# KiCad board Floppy Board v3.1.kicad_pcb (continued)
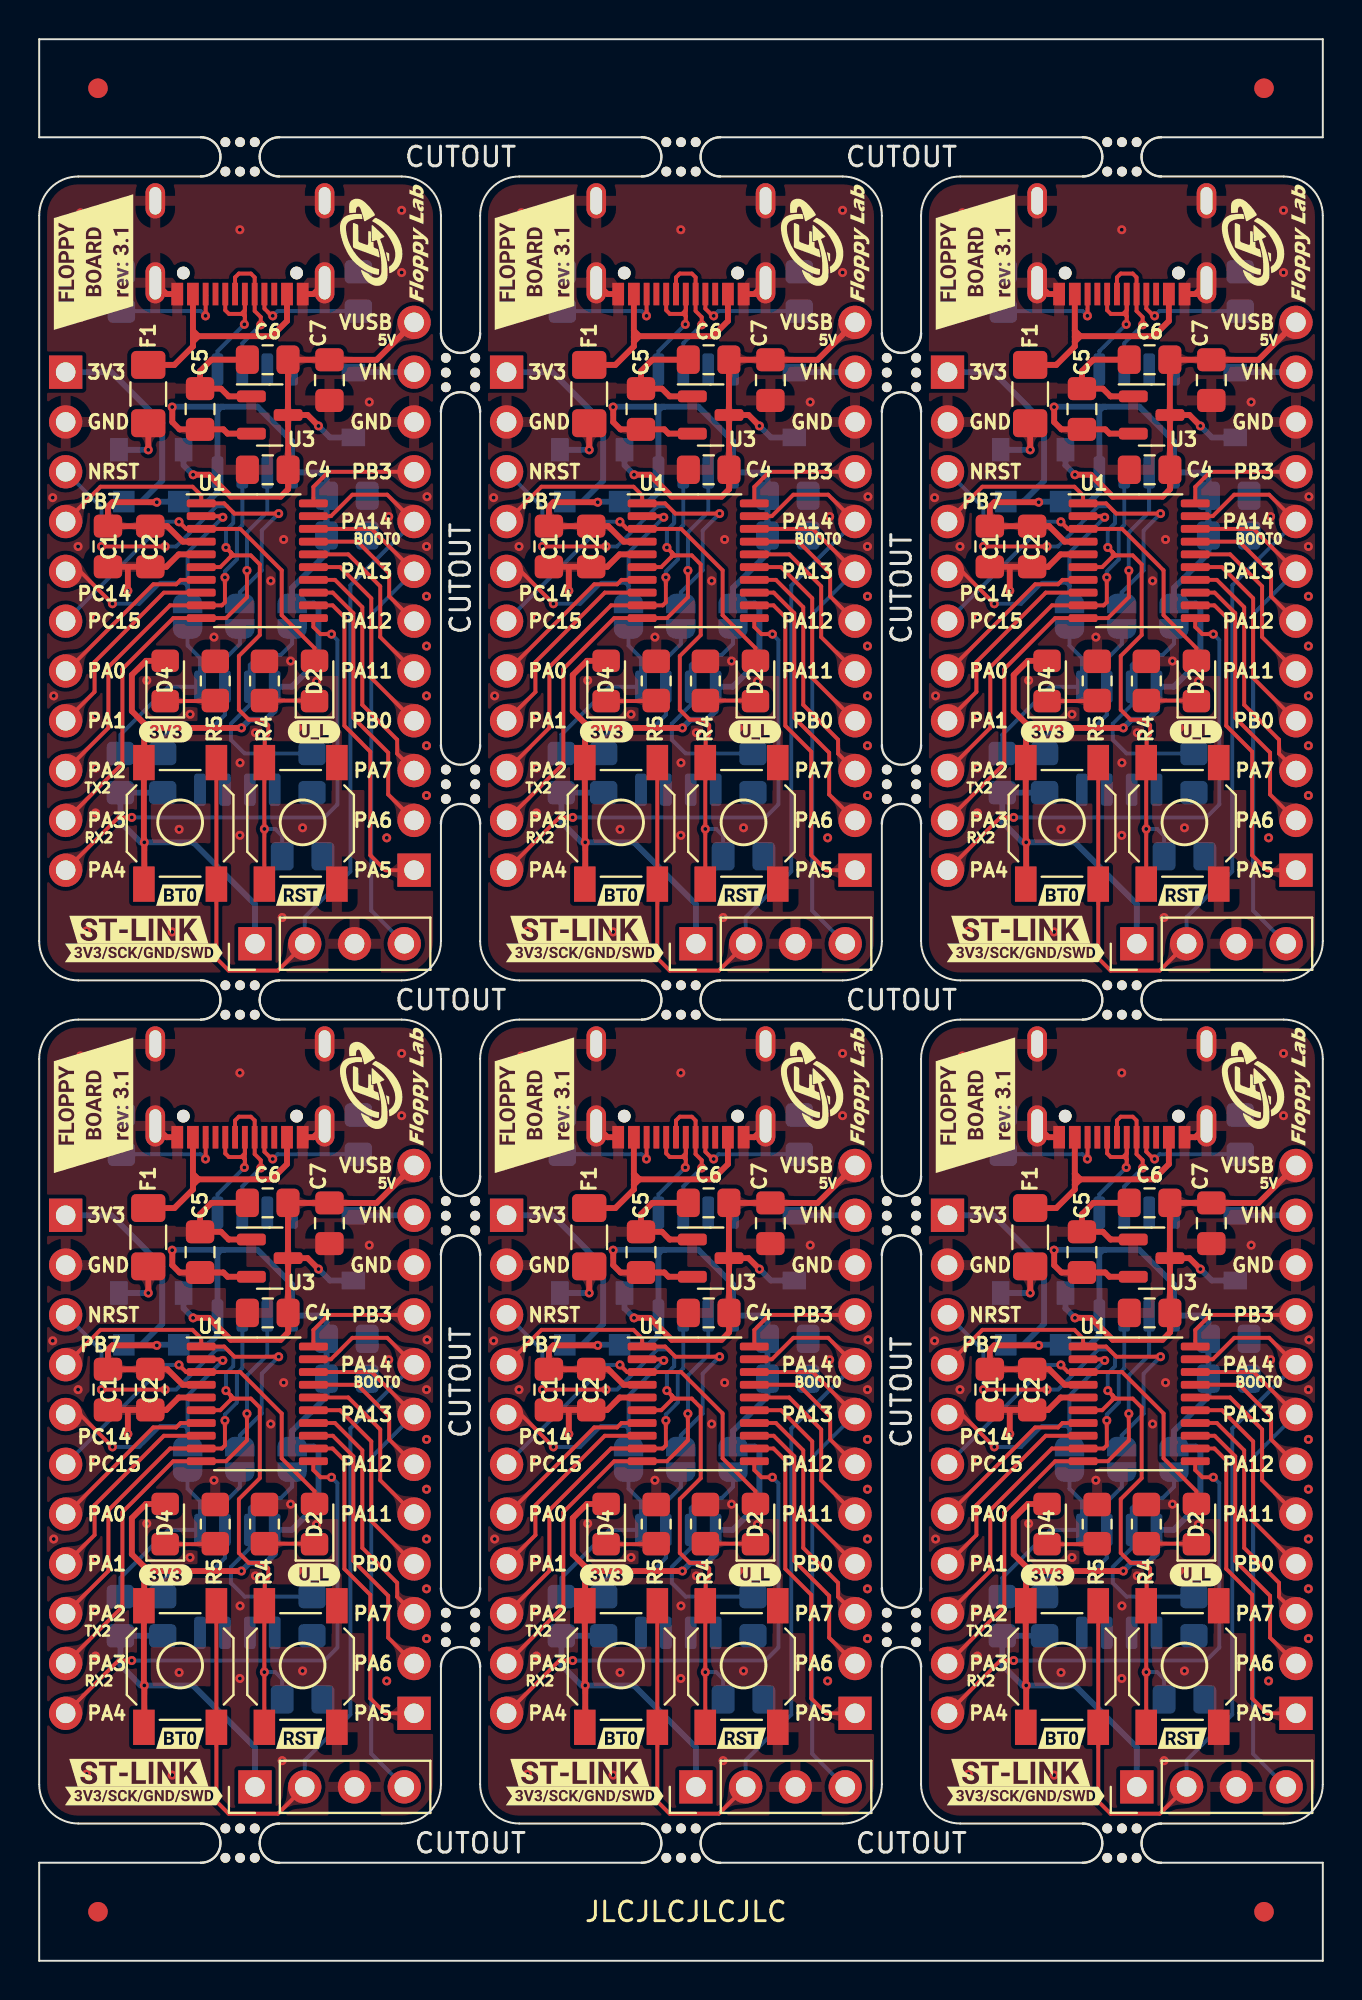
[diagram p0: board, top side]
## Copper pours and planes (outline as drawn; the poured copper is in the pictures) (continued)
+3V3 on Bottom: 59.33,32.7 59.4,32.62 59.43,32.55 59.43,32.48 59.42,32.41 59.39,32.35 59.34,32.28 59.24,32.14 59.18,32.06 59.13,31.98 59.66,31.43 60.08,32.14 60,32.22 59.94,32.3 59.9,32.37 59.86,32.44 59.79,32.58 59.75,32.65 59.7,32.73 59.63,32.82 59.54,32.91
+3V3 on Bottom: 50.33,59.72 50.2,59.73 50.08,59.75 49.99,59.77 49.9,59.81 49.83,59.85 49.76,59.89 49.68,59.94 49.6,60 49.51,60.06 49.41,60.11 48.84,59.57 49.41,59.03 49.51,59.09 49.6,59.15 49.68,59.2 49.76,59.25 49.83,59.3 49.9,59.34 49.99,59.37 50.08,59.4 50.2,59.42 50.33,59.42
+3V3 on Bottom: 28.63,74.3 28.71,74.37 28.79,74.39 28.86,74.38 28.93,74.34 28.99,74.28 29.06,74.21 29.13,74.13 29.2,74.05 29.29,73.98 29.38,73.92 29.89,74.42 29.23,74.8 29.15,74.74 29.07,74.7 29,74.68 28.92,74.68 28.76,74.67 28.68,74.66 28.59,74.64 28.51,74.59 28.42,74.51
+3V3 on Bottom: 14.81,73.55 14.82,73.69 14.84,73.8 14.86,73.9 14.89,73.98 14.93,74.05 14.98,74.12 15.08,74.27 15.14,74.36 15.19,74.46 14.66,75.01 14.13,74.46 14.19,74.36 14.25,74.27 14.35,74.12 14.39,74.05 14.43,73.98 14.47,73.9 14.49,73.8 14.51,73.69 14.51,73.55
+3V3 on Bottom: 50.33,16.72 50.2,16.73 50.08,16.75 49.99,16.77 49.9,16.81 49.83,16.85 49.76,16.89 49.68,16.94 49.6,17 49.51,17.06 49.41,17.11 48.84,16.57 49.41,16.03 49.51,16.09 49.6,16.15 49.68,16.2 49.76,16.25 49.83,16.3 49.9,16.34 49.99,16.37 50.08,16.4 50.2,16.42 50.33,16.42
+3V3 on Bottom: 14.58,28.48 14.67,28.58 14.73,28.66 14.78,28.75 14.82,28.82 14.88,28.97 14.91,29.04 14.95,29.11 15,29.19 15.08,29.27 14.66,29.98 14.13,29.43 14.18,29.35 14.24,29.27 14.36,29.12 14.41,29.05 14.45,28.99 14.47,28.92 14.46,28.85 14.43,28.77 14.37,28.7
+3V3 on Bottom: 37.31,30.55 37.32,30.69 37.34,30.8 37.36,30.9 37.39,30.98 37.43,31.05 37.48,31.12 37.58,31.27 37.64,31.36 37.69,31.46 37.16,32.01 36.63,31.46 36.69,31.36 36.75,31.27 36.85,31.12 36.89,31.05 36.93,30.98 36.97,30.9 36.99,30.8 37.01,30.69 37.01,30.55
/VBUS_FUSED on Top: 50.72,77.07 50.72,77.21 50.74,77.33 50.77,77.44 50.81,77.53 50.85,77.61 50.9,77.69 50.96,77.76 51.02,77.84 51.09,77.92 51.16,78.01 50.57,78.77 49.98,78.01 50.04,77.92 50.11,77.84 50.17,77.76 50.23,77.69 50.28,77.61 50.33,77.53 50.36,77.44 50.39,77.33 50.41,77.21 50.42,77.07
/VBUS_FUSED on Top: 5.72,34.07 5.72,34.21 5.74,34.33 5.77,34.44 5.81,34.53 5.85,34.61 5.9,34.69 5.96,34.76 6.02,34.84 6.09,34.92 6.16,35.01 5.57,35.77 4.98,35.01 5.04,34.92 5.11,34.84 5.17,34.76 5.23,34.69 5.28,34.61 5.33,34.53 5.36,34.44 5.39,34.33 5.41,34.21 5.42,34.07
/VBUS_FUSED on Top: 28.22,34.07 28.22,34.21 28.24,34.33 28.27,34.44 28.31,34.53 28.35,34.61 28.4,34.69 28.46,34.76 28.52,34.84 28.59,34.92 28.66,35.01 28.07,35.77 27.48,35.01 27.54,34.92 27.61,34.84 27.67,34.76 27.73,34.69 27.78,34.61 27.83,34.53 27.86,34.44 27.89,34.33 27.91,34.21 27.92,34.07
/VBUS_FUSED on Top: 50.72,34.07 50.72,34.21 50.74,34.33 50.77,34.44 50.81,34.53 50.85,34.61 50.9,34.69 50.96,34.76 51.02,34.84 51.09,34.92 51.16,35.01 50.57,35.77 49.98,35.01 50.04,34.92 50.11,34.84 50.17,34.76 50.23,34.69 50.28,34.61 50.33,34.53 50.36,34.44 50.39,34.33 50.41,34.21 50.42,34.07
/VBUS_FUSED on Top: 28.22,77.07 28.22,77.21 28.24,77.33 28.27,77.44 28.31,77.53 28.35,77.61 28.4,77.69 28.46,77.76 28.52,77.84 28.59,77.92 28.66,78.01 28.07,78.77 27.48,78.01 27.54,77.92 27.61,77.84 27.67,77.76 27.73,77.69 27.78,77.61 27.83,77.53 27.86,77.44 27.89,77.33 27.91,77.21 27.92,77.07
/VBUS_FUSED on Top: 5.72,77.07 5.72,77.21 5.74,77.33 5.77,77.44 5.81,77.53 5.85,77.61 5.9,77.69 5.96,77.76 6.02,77.84 6.09,77.92 6.16,78.01 5.57,78.77 4.98,78.01 5.04,77.92 5.11,77.84 5.17,77.76 5.23,77.69 5.28,77.61 5.33,77.53 5.36,77.44 5.39,77.33 5.41,77.21 5.42,77.07
GND on Top, Bottom: 66.67,5 43.81,5 43.81,50.72 66.67,50.72
GND on Top, Bottom: 21.67,48 -1.19,48 -1.19,93.72 21.67,93.72
GND on Top, Bottom: 44.17,48 21.31,48 21.31,93.72 44.17,93.72
GND on Top, Bottom: 44.17,5 21.31,5 21.31,50.72 44.17,50.72
GND on Top, Bottom: 66.67,48 43.81,48 43.81,93.72 66.67,93.72
GND on Top, Bottom: 21.67,5 -1.19,5 -1.19,50.72 21.67,50.72
VBUS on Top: 13.64,81.5 13.78,81.5 13.89,81.48 13.99,81.45 14.07,81.42 14.14,81.38 14.21,81.34 14.36,81.23 14.45,81.18 14.56,81.12 15.11,81.65 14.56,82.18 14.45,82.12 14.36,82.07 14.21,81.97 14.14,81.92 14.07,81.88 13.99,81.85 13.89,81.82 13.78,81.81 13.64,81.8
VBUS on Top: 12.55,34.21 12.55,34.08 12.53,33.96 12.5,33.87 12.47,33.79 12.43,33.71 12.39,33.64 12.28,33.49 12.23,33.4 12.17,33.3 12.7,32.75 13.23,33.3 13.17,33.4 13.12,33.49 13.02,33.64 12.97,33.71 12.93,33.79 12.9,33.87 12.87,33.96 12.86,34.08 12.85,34.21
VBUS on Top: 36.14,81.5 36.28,81.5 36.39,81.48 36.49,81.45 36.57,81.42 36.64,81.38 36.71,81.34 36.86,81.23 36.95,81.18 37.06,81.12 37.61,81.65 37.06,82.18 36.95,82.12 36.86,82.07 36.71,81.97 36.64,81.92 36.57,81.88 36.49,81.85 36.39,81.82 36.28,81.81 36.14,81.8
VBUS on Top: 63.04,39.26 63.19,39.39 63.32,39.49 63.45,39.55 63.57,39.6 63.69,39.62 63.81,39.64 63.94,39.65 64.08,39.67 64.24,39.71 64.41,39.76 64.43,40.86 63.33,40.84 63.28,40.67 63.24,40.51 63.22,40.37 63.21,40.24 63.19,40.12 63.17,40 63.12,39.88 63.06,39.75 62.96,39.62 62.83,39.47
VBUS on Top: 38.48,81.8 38.34,81.81 38.23,81.82 38.14,81.85 38.06,81.88 37.98,81.92 37.91,81.97 37.76,82.07 37.67,82.12 37.57,82.18 37.02,81.65 37.57,81.12 37.67,81.18 37.76,81.23 37.91,81.34 37.98,81.38 38.06,81.42 38.14,81.45 38.23,81.48 38.34,81.5 38.48,81.5
VBUS on Top: 35.18,74.81 35.26,74.91 35.32,74.99 35.36,75.08 35.39,75.16 35.43,75.31 35.46,75.39 35.49,75.46 35.54,75.54 35.62,75.63 35.2,76.34 34.67,75.79 34.72,75.69 34.79,75.61 34.86,75.54 34.92,75.46 34.98,75.39 35.03,75.32 35.06,75.26 35.06,75.18 35.03,75.11 34.96,75.02
VBUS on Top: 36.37,38.8 36.23,38.81 36.12,38.82 36.03,38.85 35.94,38.88 35.87,38.92 35.8,38.97 35.65,39.07 35.56,39.13 35.46,39.18 34.9,38.66 35.45,38.12 35.56,38.18 35.65,38.23 35.8,38.34 35.87,38.38 35.94,38.42 36.02,38.45 36.12,38.48 36.23,38.5 36.37,38.5
VBUS on Top: 60.98,81.8 60.84,81.81 60.73,81.82 60.64,81.85 60.56,81.88 60.48,81.92 60.41,81.97 60.26,82.07 60.17,82.12 60.07,82.18 59.52,81.65 60.07,81.12 60.17,81.18 60.26,81.23 60.41,81.34 60.48,81.38 60.56,81.42 60.64,81.45 60.73,81.48 60.84,81.5 60.98,81.5
VBUS on Top: 57.85,37.49 57.85,37.62 57.87,37.73 57.89,37.83 57.93,37.91 57.97,37.98 58.01,38.05 58.11,38.2 58.17,38.29 58.22,38.4 57.7,38.95 57.17,38.4 57.22,38.29 57.28,38.2 57.38,38.05 57.43,37.98 57.47,37.91 57.5,37.83 57.52,37.73 57.54,37.62 57.55,37.49
VBUS on Top: 40.54,39.26 40.69,39.39 40.82,39.49 40.95,39.55 41.07,39.6 41.19,39.62 41.31,39.64 41.44,39.65 41.58,39.67 41.74,39.71 41.91,39.76 41.93,40.86 40.83,40.84 40.78,40.67 40.74,40.51 40.72,40.37 40.71,40.24 40.69,40.12 40.67,40 40.62,39.88 40.56,39.75 40.46,39.62 40.33,39.47
VBUS on Top: 12.68,74.81 12.76,74.91 12.82,74.99 12.86,75.08 12.89,75.16 12.93,75.31 12.96,75.39 12.99,75.46 13.04,75.54 13.12,75.63 12.7,76.34 12.17,75.79 12.22,75.69 12.29,75.61 12.36,75.54 12.42,75.46 12.48,75.39 12.53,75.32 12.56,75.26 12.56,75.18 12.53,75.11 12.46,75.02
VBUS on Top: 13.87,81.8 13.73,81.81 13.62,81.82 13.53,81.85 13.44,81.88 13.37,81.92 13.3,81.97 13.15,82.07 13.06,82.13 12.96,82.18 12.4,81.66 12.95,81.12 13.06,81.18 13.15,81.23 13.3,81.34 13.37,81.38 13.44,81.42 13.52,81.45 13.62,81.48 13.73,81.5 13.87,81.5
VBUS on Top: 35.35,80.49 35.35,80.62 35.37,80.73 35.39,80.83 35.43,80.91 35.47,80.98 35.51,81.05 35.61,81.2 35.67,81.29 35.72,81.4 35.2,81.95 34.67,81.4 34.72,81.29 34.78,81.2 34.88,81.05 34.93,80.98 34.97,80.91 35,80.83 35.02,80.73 35.04,80.62 35.05,80.49
VBUS on Top: 57.85,80.49 57.85,80.62 57.87,80.73 57.89,80.83 57.93,80.91 57.97,80.98 58.01,81.05 58.11,81.2 58.17,81.29 58.22,81.4 57.7,81.95 57.17,81.4 57.22,81.29 57.28,81.2 57.38,81.05 57.43,80.98 57.47,80.91 57.5,80.83 57.52,80.73 57.54,80.62 57.55,80.49
VBUS on Top: 12.68,31.81 12.76,31.91 12.82,31.99 12.86,32.08 12.89,32.16 12.93,32.31 12.96,32.39 12.99,32.46 13.04,32.54 13.12,32.63 12.7,33.34 12.17,32.79 12.22,32.69 12.29,32.61 12.36,32.54 12.42,32.46 12.48,32.39 12.53,32.32 12.56,32.26 12.56,32.18 12.53,32.11 12.46,32.02
VBUS on Top: 15.98,38.8 15.84,38.81 15.73,38.82 15.64,38.85 15.56,38.88 15.48,38.92 15.41,38.97 15.26,39.07 15.17,39.12 15.07,39.18 14.52,38.65 15.07,38.12 15.17,38.18 15.26,38.23 15.41,38.34 15.48,38.38 15.56,38.42 15.64,38.45 15.73,38.48 15.84,38.5 15.98,38.5
VBUS on Top: 36.14,38.5 36.28,38.5 36.39,38.48 36.49,38.45 36.57,38.42 36.64,38.38 36.71,38.34 36.86,38.23 36.95,38.18 37.06,38.12 37.61,38.65 37.06,39.18 36.95,39.12 36.86,39.07 36.71,38.97 36.64,38.92 36.57,38.88 36.49,38.85 36.39,38.82 36.28,38.81 36.14,38.8
VBUS on Top: 57.68,74.81 57.76,74.91 57.82,74.99 57.86,75.08 57.89,75.16 57.93,75.31 57.96,75.39 57.99,75.46 58.04,75.54 58.12,75.63 57.7,76.34 57.17,75.79 57.22,75.69 57.29,75.61 57.36,75.54 57.42,75.46 57.48,75.39 57.53,75.32 57.56,75.26 57.56,75.18 57.53,75.11 57.46,75.02
VBUS on Top: 12.85,37.49 12.85,37.62 12.87,37.73 12.89,37.83 12.93,37.91 12.97,37.98 13.01,38.05 13.11,38.2 13.17,38.29 13.22,38.4 12.7,38.95 12.17,38.4 12.22,38.29 12.28,38.2 12.38,38.05 12.43,37.98 12.47,37.91 12.5,37.83 12.52,37.73 12.54,37.62 12.55,37.49
VBUS on Top: 58.64,81.5 58.78,81.5 58.89,81.48 58.99,81.45 59.07,81.42 59.14,81.38 59.21,81.34 59.36,81.23 59.45,81.18 59.56,81.12 60.11,81.65 59.56,82.18 59.45,82.12 59.36,82.07 59.21,81.97 59.14,81.92 59.07,81.88 58.99,81.85 58.89,81.82 58.78,81.81 58.64,81.8
VBUS on Top: 60.98,38.8 60.84,38.81 60.73,38.82 60.64,38.85 60.56,38.88 60.48,38.92 60.41,38.97 60.26,39.07 60.17,39.12 60.07,39.18 59.52,38.65 60.07,38.12 60.17,38.18 60.26,38.23 60.41,38.34 60.48,38.38 60.56,38.42 60.64,38.45 60.73,38.48 60.84,38.5 60.98,38.5
VBUS on Top: 58.64,38.5 58.78,38.5 58.89,38.48 58.99,38.45 59.07,38.42 59.14,38.38 59.21,38.34 59.36,38.23 59.45,38.18 59.56,38.12 60.11,38.65 59.56,39.18 59.45,39.12 59.36,39.07 59.21,38.97 59.14,38.92 59.07,38.88 58.99,38.85 58.89,38.82 58.78,38.81 58.64,38.8
VBUS on Top: 63.04,82.26 63.19,82.39 63.32,82.49 63.45,82.55 63.57,82.6 63.69,82.62 63.81,82.64 63.94,82.65 64.08,82.67 64.24,82.71 64.41,82.76 64.43,83.86 63.33,83.84 63.28,83.67 63.24,83.51 63.22,83.37 63.21,83.24 63.19,83.12 63.17,83 63.12,82.88 63.06,82.75 62.96,82.62 62.83,82.47
VBUS on Top: 13.64,38.5 13.78,38.5 13.89,38.48 13.99,38.45 14.07,38.42 14.14,38.38 14.21,38.34 14.36,38.23 14.45,38.18 14.56,38.12 15.11,38.65 14.56,39.18 14.45,39.12 14.36,39.07 14.21,38.97 14.14,38.92 14.07,38.88 13.99,38.85 13.89,38.82 13.78,38.81 13.64,38.8
VBUS on Top: 58.87,38.8 58.73,38.81 58.62,38.82 58.53,38.85 58.44,38.88 58.37,38.92 58.3,38.97 58.15,39.07 58.06,39.13 57.96,39.18 57.4,38.66 57.95,38.12 58.06,38.18 58.15,38.23 58.3,38.34 58.37,38.38 58.44,38.42 58.52,38.45 58.62,38.48 58.73,38.5 58.87,38.5
VBUS on Top: 57.55,34.21 57.55,34.08 57.53,33.96 57.5,33.87 57.47,33.79 57.43,33.71 57.39,33.64 57.28,33.49 57.23,33.4 57.17,33.3 57.7,32.75 58.23,33.3 58.17,33.4 58.12,33.49 58.02,33.64 57.97,33.71 57.93,33.79 57.9,33.87 57.87,33.96 57.86,34.08 57.85,34.21
VBUS on Top: 18.04,82.26 18.19,82.39 18.32,82.49 18.45,82.55 18.57,82.6 18.69,82.62 18.81,82.64 18.94,82.65 19.08,82.67 19.24,82.71 19.41,82.76 19.43,83.86 18.33,83.84 18.28,83.67 18.24,83.51 18.22,83.37 18.21,83.24 18.19,83.12 18.17,83 18.12,82.88 18.06,82.75 17.96,82.62 17.83,82.47
VBUS on Top: 13.87,38.8 13.73,38.81 13.62,38.82 13.53,38.85 13.44,38.88 13.37,38.92 13.3,38.97 13.15,39.07 13.06,39.13 12.96,39.18 12.4,38.66 12.95,38.12 13.06,38.18 13.15,38.23 13.3,38.34 13.37,38.38 13.44,38.42 13.52,38.45 13.62,38.48 13.73,38.5 13.87,38.5
VBUS on Top: 15.98,81.8 15.84,81.81 15.73,81.82 15.64,81.85 15.56,81.88 15.48,81.92 15.41,81.97 15.26,82.07 15.17,82.12 15.07,82.18 14.52,81.65 15.07,81.12 15.17,81.18 15.26,81.23 15.41,81.34 15.48,81.38 15.56,81.42 15.64,81.45 15.73,81.48 15.84,81.5 15.98,81.5
VBUS on Top: 38.48,38.8 38.34,38.81 38.23,38.82 38.14,38.85 38.06,38.88 37.98,38.92 37.91,38.97 37.76,39.07 37.67,39.12 37.57,39.18 37.02,38.65 37.57,38.12 37.67,38.18 37.76,38.23 37.91,38.34 37.98,38.38 38.06,38.42 38.14,38.45 38.23,38.48 38.34,38.5 38.48,38.5
VBUS on Top: 40.54,82.26 40.69,82.39 40.82,82.49 40.95,82.55 41.07,82.6 41.19,82.62 41.31,82.64 41.44,82.65 41.58,82.67 41.74,82.71 41.91,82.76 41.93,83.86 40.83,83.84 40.78,83.67 40.74,83.51 40.72,83.37 40.71,83.24 40.69,83.12 40.67,83 40.62,82.88 40.56,82.75 40.46,82.62 40.33,82.47
VBUS on Top: 12.55,77.21 12.55,77.08 12.53,76.96 12.5,76.87 12.47,76.79 12.43,76.71 12.39,76.64 12.28,76.49 12.23,76.4 12.17,76.3 12.7,75.75 13.23,76.3 13.17,76.4 13.12,76.49 13.02,76.64 12.97,76.71 12.93,76.79 12.9,76.87 12.87,76.96 12.86,77.08 12.85,77.21
VBUS on Top: 18.04,39.26 18.19,39.39 18.32,39.49 18.45,39.55 18.57,39.6 18.69,39.62 18.81,39.64 18.94,39.65 19.08,39.67 19.24,39.71 19.41,39.76 19.43,40.86 18.33,40.84 18.28,40.67 18.24,40.51 18.22,40.37 18.21,40.24 18.19,40.12 18.17,40 18.12,39.88 18.06,39.75 17.96,39.62 17.83,39.47
VBUS on Top: 57.55,77.21 57.55,77.08 57.53,76.96 57.5,76.87 57.47,76.79 57.43,76.71 57.39,76.64 57.28,76.49 57.23,76.4 57.17,76.3 57.7,75.75 58.23,76.3 58.17,76.4 58.12,76.49 58.02,76.64 57.97,76.71 57.93,76.79 57.9,76.87 57.87,76.96 57.86,77.08 57.85,77.21
VBUS on Top: 35.05,34.21 35.05,34.08 35.03,33.96 35,33.87 34.97,33.79 34.93,33.71 34.89,33.64 34.78,33.49 34.73,33.4 34.67,33.3 35.2,32.75 35.73,33.3 35.67,33.4 35.62,33.49 35.52,33.64 35.47,33.71 35.43,33.79 35.4,33.87 35.37,33.96 35.36,34.08 35.35,34.21
VBUS on Top: 58.87,81.8 58.73,81.81 58.62,81.82 58.53,81.85 58.44,81.88 58.37,81.92 58.3,81.97 58.15,82.07 58.06,82.13 57.96,82.18 57.4,81.66 57.95,81.12 58.06,81.18 58.15,81.23 58.3,81.34 58.37,81.38 58.44,81.42 58.52,81.45 58.62,81.48 58.73,81.5 58.87,81.5
VBUS on Top: 35.35,37.49 35.35,37.62 35.37,37.73 35.39,37.83 35.43,37.91 35.47,37.98 35.51,38.05 35.61,38.2 35.67,38.29 35.72,38.4 35.2,38.95 34.67,38.4 34.72,38.29 34.78,38.2 34.88,38.05 34.93,37.98 34.97,37.91 35,37.83 35.02,37.73 35.04,37.62 35.05,37.49
VBUS on Top: 12.85,80.49 12.85,80.62 12.87,80.73 12.89,80.83 12.93,80.91 12.97,80.98 13.01,81.05 13.11,81.2 13.17,81.29 13.22,81.4 12.7,81.95 12.17,81.4 12.22,81.29 12.28,81.2 12.38,81.05 12.43,80.98 12.47,80.91 12.5,80.83 12.52,80.73 12.54,80.62 12.55,80.49
VBUS on Top: 35.18,31.81 35.26,31.91 35.32,31.99 35.36,32.08 35.39,32.16 35.43,32.31 35.46,32.39 35.49,32.46 35.54,32.54 35.62,32.63 35.2,33.34 34.67,32.79 34.72,32.69 34.79,32.61 34.86,32.54 34.92,32.46 34.98,32.39 35.03,32.32 35.06,32.26 35.06,32.18 35.03,32.11 34.96,32.02
VBUS on Top: 57.68,31.81 57.76,31.91 57.82,31.99 57.86,32.08 57.89,32.16 57.93,32.31 57.96,32.39 57.99,32.46 58.04,32.54 58.12,32.63 57.7,33.34 57.17,32.79 57.22,32.69 57.29,32.61 57.36,32.54 57.42,32.46 57.48,32.39 57.53,32.32 57.56,32.26 57.56,32.18 57.53,32.11 57.46,32.02
VBUS on Top: 35.05,77.21 35.05,77.08 35.03,76.96 35,76.87 34.97,76.79 34.93,76.71 34.89,76.64 34.78,76.49 34.73,76.4 34.67,76.3 35.2,75.75 35.73,76.3 35.67,76.4 35.62,76.49 35.52,76.64 35.47,76.71 35.43,76.79 35.4,76.87 35.37,76.96 35.36,77.08 35.35,77.21
VBUS on Top: 36.37,81.8 36.23,81.81 36.12,81.82 36.03,81.85 35.94,81.88 35.87,81.92 35.8,81.97 35.65,82.07 35.56,82.13 35.46,82.18 34.9,81.66 35.45,81.12 35.56,81.18 35.65,81.23 35.8,81.34 35.87,81.38 35.94,81.42 36.02,81.45 36.12,81.48 36.23,81.5 36.37,81.5
VCC on Bottom: 39.94,80.87 40.14,80.86 40.3,80.83 40.44,80.79 40.55,80.73 40.66,80.67 40.76,80.59 40.86,80.51 40.97,80.43 41.1,80.34 41.26,80.25 42.05,81.02 41.26,81.78 41.1,81.7 40.97,81.61 40.86,81.53 40.76,81.45 40.66,81.37 40.55,81.31 40.44,81.25 40.3,81.21 40.14,81.18 39.94,81.17
VCC on Bottom: 39.94,37.87 40.14,37.86 40.3,37.83 40.44,37.79 40.55,37.73 40.66,37.67 40.76,37.59 40.86,37.51 40.97,37.43 41.1,37.34 41.26,37.25 42.05,38.02 41.26,38.78 41.1,38.7 40.97,38.61 40.86,38.53 40.76,38.45 40.66,38.37 40.55,38.31 40.44,38.25 40.3,38.21 40.14,38.18 39.94,38.17
VCC on Bottom: 62.44,80.87 62.64,80.86 62.8,80.83 62.94,80.79 63.05,80.73 63.16,80.67 63.26,80.59 63.36,80.51 63.47,80.43 63.6,80.34 63.76,80.25 64.55,81.02 63.76,81.78 63.6,81.7 63.47,81.61 63.36,81.53 63.26,81.45 63.16,81.37 63.05,81.31 62.94,81.25 62.8,81.21 62.64,81.18 62.44,81.17
VCC on Bottom: 17.44,37.87 17.64,37.86 17.8,37.83 17.94,37.79 18.05,37.73 18.16,37.67 18.26,37.59 18.36,37.51 18.47,37.43 18.6,37.34 18.76,37.25 19.56,38.02 18.76,38.78 18.6,38.7 18.47,38.61 18.36,38.53 18.26,38.45 18.16,38.37 18.05,38.31 17.94,38.25 17.8,38.21 17.64,38.18 17.44,38.17
VCC on Bottom: 62.44,37.87 62.64,37.86 62.8,37.83 62.94,37.79 63.05,37.73 63.16,37.67 63.26,37.59 63.36,37.51 63.47,37.43 63.6,37.34 63.76,37.25 64.55,38.02 63.76,38.78 63.6,38.7 63.47,38.61 63.36,38.53 63.26,38.45 63.16,38.37 63.05,38.31 62.94,38.25 62.8,38.21 62.64,38.18 62.44,38.17
VCC on Bottom: 17.44,80.87 17.64,80.86 17.8,80.83 17.94,80.79 18.05,80.73 18.16,80.67 18.26,80.59 18.36,80.51 18.47,80.43 18.6,80.34 18.76,80.25 19.56,81.02 18.76,81.78 18.6,81.7 18.47,81.61 18.36,81.53 18.26,81.45 18.16,81.37 18.05,81.31 17.94,81.25 17.8,81.21 17.64,81.18 17.44,81.17
VDD on Bottom: 3.04,81.17 2.84,81.18 2.68,81.21 2.54,81.25 2.43,81.31 2.32,81.37 2.22,81.45 2.12,81.53 2.01,81.61 1.88,81.7 1.72,81.78 0.92,81.02 1.72,80.25 1.88,80.34 2.01,80.43 2.12,80.51 2.22,80.59 2.32,80.67 2.43,80.73 2.54,80.79 2.68,80.83 2.84,80.86 3.04,80.87
VDD on Bottom: 5.25,31.67 5.18,31.61 5.11,31.58 5.04,31.58 4.98,31.6 4.91,31.64 4.85,31.69 4.72,31.81 4.64,31.86 4.56,31.91 4.04,31.42 4.71,31.03 4.79,31.1 4.86,31.14 4.93,31.18 5,31.2 5.14,31.25 5.22,31.28 5.29,31.32 5.38,31.38 5.46,31.46
VDD on Bottom: 25.54,38.17 25.34,38.18 25.18,38.21 25.04,38.25 24.93,38.31 24.82,38.37 24.72,38.45 24.62,38.53 24.51,38.61 24.38,38.7 24.22,38.78 23.42,38.02 24.22,37.25 24.38,37.34 24.51,37.43 24.62,37.51 24.72,37.59 24.82,37.67 24.93,37.73 25.04,37.79 25.18,37.83 25.34,37.86 25.54,37.87
VDD on Bottom: 50.25,31.67 50.18,31.61 50.11,31.58 50.04,31.58 49.98,31.6 49.91,31.64 49.85,31.69 49.72,31.81 49.64,31.86 49.56,31.91 49.04,31.42 49.71,31.03 49.79,31.1 49.86,31.14 49.93,31.18 50,31.2 50.14,31.25 50.22,31.28 50.29,31.32 50.38,31.38 50.46,31.46
VDD on Bottom: 5.25,74.67 5.18,74.61 5.11,74.58 5.04,74.58 4.98,74.6 4.91,74.64 4.85,74.69 4.72,74.81 4.64,74.86 4.56,74.91 4.04,74.42 4.71,74.03 4.79,74.1 4.86,74.14 4.93,74.18 5,74.2 5.14,74.25 5.22,74.28 5.29,74.32 5.38,74.38 5.46,74.46
VDD on Bottom: 50.25,74.67 50.18,74.61 50.11,74.58 50.04,74.58 49.98,74.6 49.91,74.64 49.85,74.69 49.72,74.81 49.64,74.86 49.56,74.91 49.04,74.42 49.71,74.03 49.79,74.1 49.86,74.14 49.93,74.18 50,74.2 50.14,74.25 50.22,74.28 50.29,74.32 50.38,74.38 50.46,74.46
VDD on Bottom: 3.04,38.17 2.84,38.18 2.68,38.21 2.54,38.25 2.43,38.31 2.32,38.37 2.22,38.45 2.12,38.53 2.01,38.61 1.88,38.7 1.72,38.78 0.92,38.02 1.72,37.25 1.88,37.34 2.01,37.43 2.12,37.51 2.22,37.59 2.32,37.67 2.43,37.73 2.54,37.79 2.68,37.83 2.84,37.86 3.04,37.87
VDD on Bottom: 48.04,81.17 47.84,81.18 47.68,81.21 47.54,81.25 47.43,81.31 47.32,81.37 47.22,81.45 47.12,81.53 47.01,81.61 46.88,81.7 46.72,81.78 45.92,81.02 46.72,80.25 46.88,80.34 47.01,80.43 47.12,80.51 47.22,80.59 47.32,80.67 47.43,80.73 47.54,80.79 47.68,80.83 47.84,80.86 48.04,80.87
VDD on Bottom: 27.75,31.67 27.68,31.61 27.61,31.58 27.54,31.58 27.48,31.6 27.41,31.64 27.35,31.69 27.22,31.81 27.14,31.86 27.06,31.91 26.54,31.42 27.21,31.03 27.29,31.1 27.36,31.14 27.43,31.18 27.5,31.2 27.64,31.25 27.72,31.28 27.79,31.32 27.88,31.38 27.96,31.46
VDD on Bottom: 25.54,81.17 25.34,81.18 25.18,81.21 25.04,81.25 24.93,81.31 24.82,81.37 24.72,81.45 24.62,81.53 24.51,81.61 24.38,81.7 24.22,81.78 23.42,81.02 24.22,80.25 24.38,80.34 24.51,80.43 24.62,80.51 24.72,80.59 24.82,80.67 24.93,80.73 25.04,80.79 25.18,80.83 25.34,80.86 25.54,80.87
VDD on Bottom: 27.75,74.67 27.68,74.61 27.61,74.58 27.54,74.58 27.48,74.6 27.41,74.64 27.35,74.69 27.22,74.81 27.14,74.86 27.06,74.91 26.54,74.42 27.21,74.03 27.29,74.1 27.36,74.14 27.43,74.18 27.5,74.2 27.64,74.25 27.72,74.28 27.79,74.32 27.88,74.38 27.96,74.46
VDD on Bottom: 48.04,38.17 47.84,38.18 47.68,38.21 47.54,38.25 47.43,38.31 47.32,38.37 47.22,38.45 47.12,38.53 47.01,38.61 46.88,38.7 46.72,38.78 45.92,38.02 46.72,37.25 46.88,37.34 47.01,37.43 47.12,37.51 47.22,37.59 47.32,37.67 47.43,37.73 47.54,37.79 47.68,37.83 47.84,37.86 48.04,37.87
/VUSB on Top: 29.36,81.56 29.25,81.48 29.15,81.45 29.06,81.46 28.97,81.5 28.89,81.58 28.8,81.67 28.71,81.77 28.61,81.87 28.5,81.96 28.38,82.03 27.71,81.39 28.57,80.89 28.67,80.97 28.77,81.03 28.86,81.06 28.96,81.09 29.05,81.1 29.15,81.12 29.25,81.14 29.35,81.19 29.46,81.25 29.58,81.35
/VUSB on Top: 6.86,38.56 6.75,38.48 6.65,38.45 6.56,38.46 6.47,38.5 6.39,38.58 6.3,38.67 6.21,38.77 6.11,38.87 6,38.96 5.88,39.03 5.21,38.39 6.07,37.89 6.17,37.97 6.27,38.03 6.36,38.06 6.46,38.09 6.55,38.1 6.65,38.12 6.75,38.14 6.85,38.19 6.96,38.25 7.08,38.35
/VUSB on Top: 6.86,81.56 6.75,81.48 6.65,81.45 6.56,81.46 6.47,81.5 6.39,81.58 6.3,81.67 6.21,81.77 6.11,81.87 6,81.96 5.88,82.03 5.21,81.39 6.07,80.89 6.17,80.97 6.27,81.03 6.36,81.06 6.46,81.09 6.55,81.1 6.65,81.12 6.75,81.14 6.85,81.19 6.96,81.25 7.08,81.35
/VUSB on Top: 29.36,38.56 29.25,38.48 29.15,38.45 29.06,38.46 28.97,38.5 28.89,38.58 28.8,38.67 28.71,38.77 28.61,38.87 28.5,38.96 28.38,39.03 27.71,38.39 28.57,37.89 28.67,37.97 28.77,38.03 28.86,38.06 28.96,38.09 29.05,38.1 29.15,38.12 29.25,38.14 29.35,38.19 29.46,38.25 29.58,38.35
/VUSB on Top: 51.86,38.56 51.75,38.48 51.65,38.45 51.56,38.46 51.47,38.5 51.39,38.58 51.3,38.67 51.21,38.77 51.11,38.87 51,38.96 50.88,39.03 50.21,38.39 51.07,37.89 51.17,37.97 51.27,38.03 51.36,38.06 51.46,38.09 51.55,38.1 51.65,38.12 51.75,38.14 51.85,38.19 51.96,38.25 52.08,38.35
/VUSB on Top: 51.86,81.56 51.75,81.48 51.65,81.45 51.56,81.46 51.47,81.5 51.39,81.58 51.3,81.67 51.21,81.77 51.11,81.87 51,81.96 50.88,82.03 50.21,81.39 51.07,80.89 51.17,80.97 51.27,81.03 51.36,81.06 51.46,81.09 51.55,81.1 51.65,81.12 51.75,81.14 51.85,81.19 51.96,81.25 52.08,81.35
/WP on Bottom: 12.73,18.47 12.87,18.47 12.99,18.45 13.08,18.42 13.16,18.37 13.24,18.33 13.31,18.27 13.38,18.21 13.46,18.15 13.55,18.09 13.66,18.03 14.22,18.57 13.66,19.11 13.55,19.05 13.46,18.99 13.38,18.93 13.31,18.87 13.24,18.82 13.16,18.77 13.08,18.73 12.99,18.7 12.87,18.68 12.73,18.67
/WP on Bottom: 57.73,18.47 57.87,18.47 57.99,18.45 58.08,18.42 58.16,18.37 58.24,18.33 58.31,18.27 58.38,18.21 58.46,18.15 58.55,18.09 58.66,18.03 59.22,18.57 58.66,19.11 58.55,19.05 58.46,18.99 58.38,18.93 58.31,18.87 58.24,18.82 58.16,18.77 58.08,18.73 57.99,18.7 57.87,18.68 57.73,18.67
/WP on Bottom: 35.23,18.47 35.37,18.47 35.49,18.45 35.58,18.42 35.66,18.37 35.74,18.33 35.81,18.27 35.88,18.21 35.96,18.15 36.05,18.09 36.16,18.03 36.72,18.57 36.16,19.11 36.05,19.05 35.96,18.99 35.88,18.93 35.81,18.87 35.74,18.82 35.66,18.77 35.58,18.73 35.49,18.7 35.37,18.68 35.23,18.67
/WP on Bottom: 35.23,61.47 35.37,61.47 35.49,61.45 35.58,61.42 35.66,61.37 35.74,61.33 35.81,61.27 35.88,61.21 35.96,61.15 36.05,61.09 36.16,61.03 36.72,61.57 36.16,62.11 36.05,62.05 35.96,61.99 35.88,61.93 35.81,61.87 35.74,61.82 35.66,61.77 35.58,61.73 35.49,61.7 35.37,61.68 35.23,61.67
/WP on Bottom: 12.73,61.47 12.87,61.47 12.99,61.45 13.08,61.42 13.16,61.37 13.24,61.33 13.31,61.27 13.38,61.21 13.46,61.15 13.55,61.09 13.66,61.03 14.22,61.57 13.66,62.11 13.55,62.05 13.46,61.99 13.38,61.93 13.31,61.87 13.24,61.82 13.16,61.77 13.08,61.73 12.99,61.7 12.87,61.68 12.73,61.67
/WP on Bottom: 57.73,61.47 57.87,61.47 57.99,61.45 58.08,61.42 58.16,61.37 58.24,61.33 58.31,61.27 58.38,61.21 58.46,61.15 58.55,61.09 58.66,61.03 59.22,61.57 58.66,62.11 58.55,62.05 58.46,61.99 58.38,61.93 58.31,61.87 58.24,61.82 58.16,61.77 58.08,61.73 57.99,61.7 57.87,61.68 57.73,61.67
NRST on Top: 56.39,56 56.38,55.87 56.36,55.76 56.34,55.68 56.3,55.6 56.26,55.54 56.21,55.47 56.16,55.41 56.1,55.33 56.05,55.25 55.99,55.15 56.49,54.63 56.98,55.15 56.93,55.25 56.87,55.33 56.82,55.41 56.77,55.47 56.72,55.54 56.68,55.6 56.64,55.68 56.61,55.76 56.6,55.87 56.59,56
NRST on Top: 11.41,62.21 11.4,62.08 11.39,61.98 11.36,61.89 11.32,61.81 11.28,61.75 11.23,61.68 11.18,61.62 11.12,61.55 11.06,61.47 11,61.37 11.48,60.83 11.99,61.33 11.94,61.43 11.89,61.52 11.84,61.6 11.78,61.67 11.74,61.73 11.7,61.8 11.66,61.88 11.63,61.97 11.62,62.08 11.61,62.21
NRST on Top: 33.89,56 33.88,55.87 33.86,55.76 33.84,55.68 33.8,55.6 33.76,55.54 33.71,55.47 33.66,55.41 33.6,55.33 33.55,55.25 33.49,55.15 33.99,54.63 34.48,55.15 34.43,55.25 34.37,55.33 34.32,55.41 34.27,55.47 34.22,55.54 34.18,55.6 34.14,55.68 34.11,55.76 34.1,55.87 34.09,56
NRST on Top: 11.59,60.02 11.6,60.15 11.61,60.25 11.64,60.34 11.68,60.41 11.72,60.48 11.77,60.54 11.82,60.61 11.87,60.68 11.93,60.77 11.98,60.87 11.49,61.38 10.99,60.87 11.05,60.77 11.1,60.68 11.16,60.61 11.21,60.54 11.26,60.48 11.3,60.41 11.34,60.34 11.36,60.25 11.38,60.15 11.39,60.02
NRST on Top: 33.91,19.21 33.9,19.08 33.89,18.98 33.86,18.89 33.82,18.81 33.78,18.75 33.73,18.68 33.68,18.62 33.62,18.55 33.56,18.47 33.5,18.37 33.98,17.83 34.49,18.33 34.44,18.43 34.39,18.52 34.34,18.6 34.28,18.67 34.24,18.73 34.2,18.8 34.16,18.88 34.13,18.97 34.12,19.08 34.11,19.21